# Altium PCB SmartHaloEE.PcbDoc (part 3 of 3)
Units mil, origin at the board's own origin, x right, y up, seen from the top; angles counter-clockwise.
Board outline 2894.86 x 2467.76 mil, 4 copper layers (Top Layer, Ground Plane, Power Plane, Bottom Layer), stack 66 mil thick; 314 components, 165 nets, 803 pads, 366 vias.
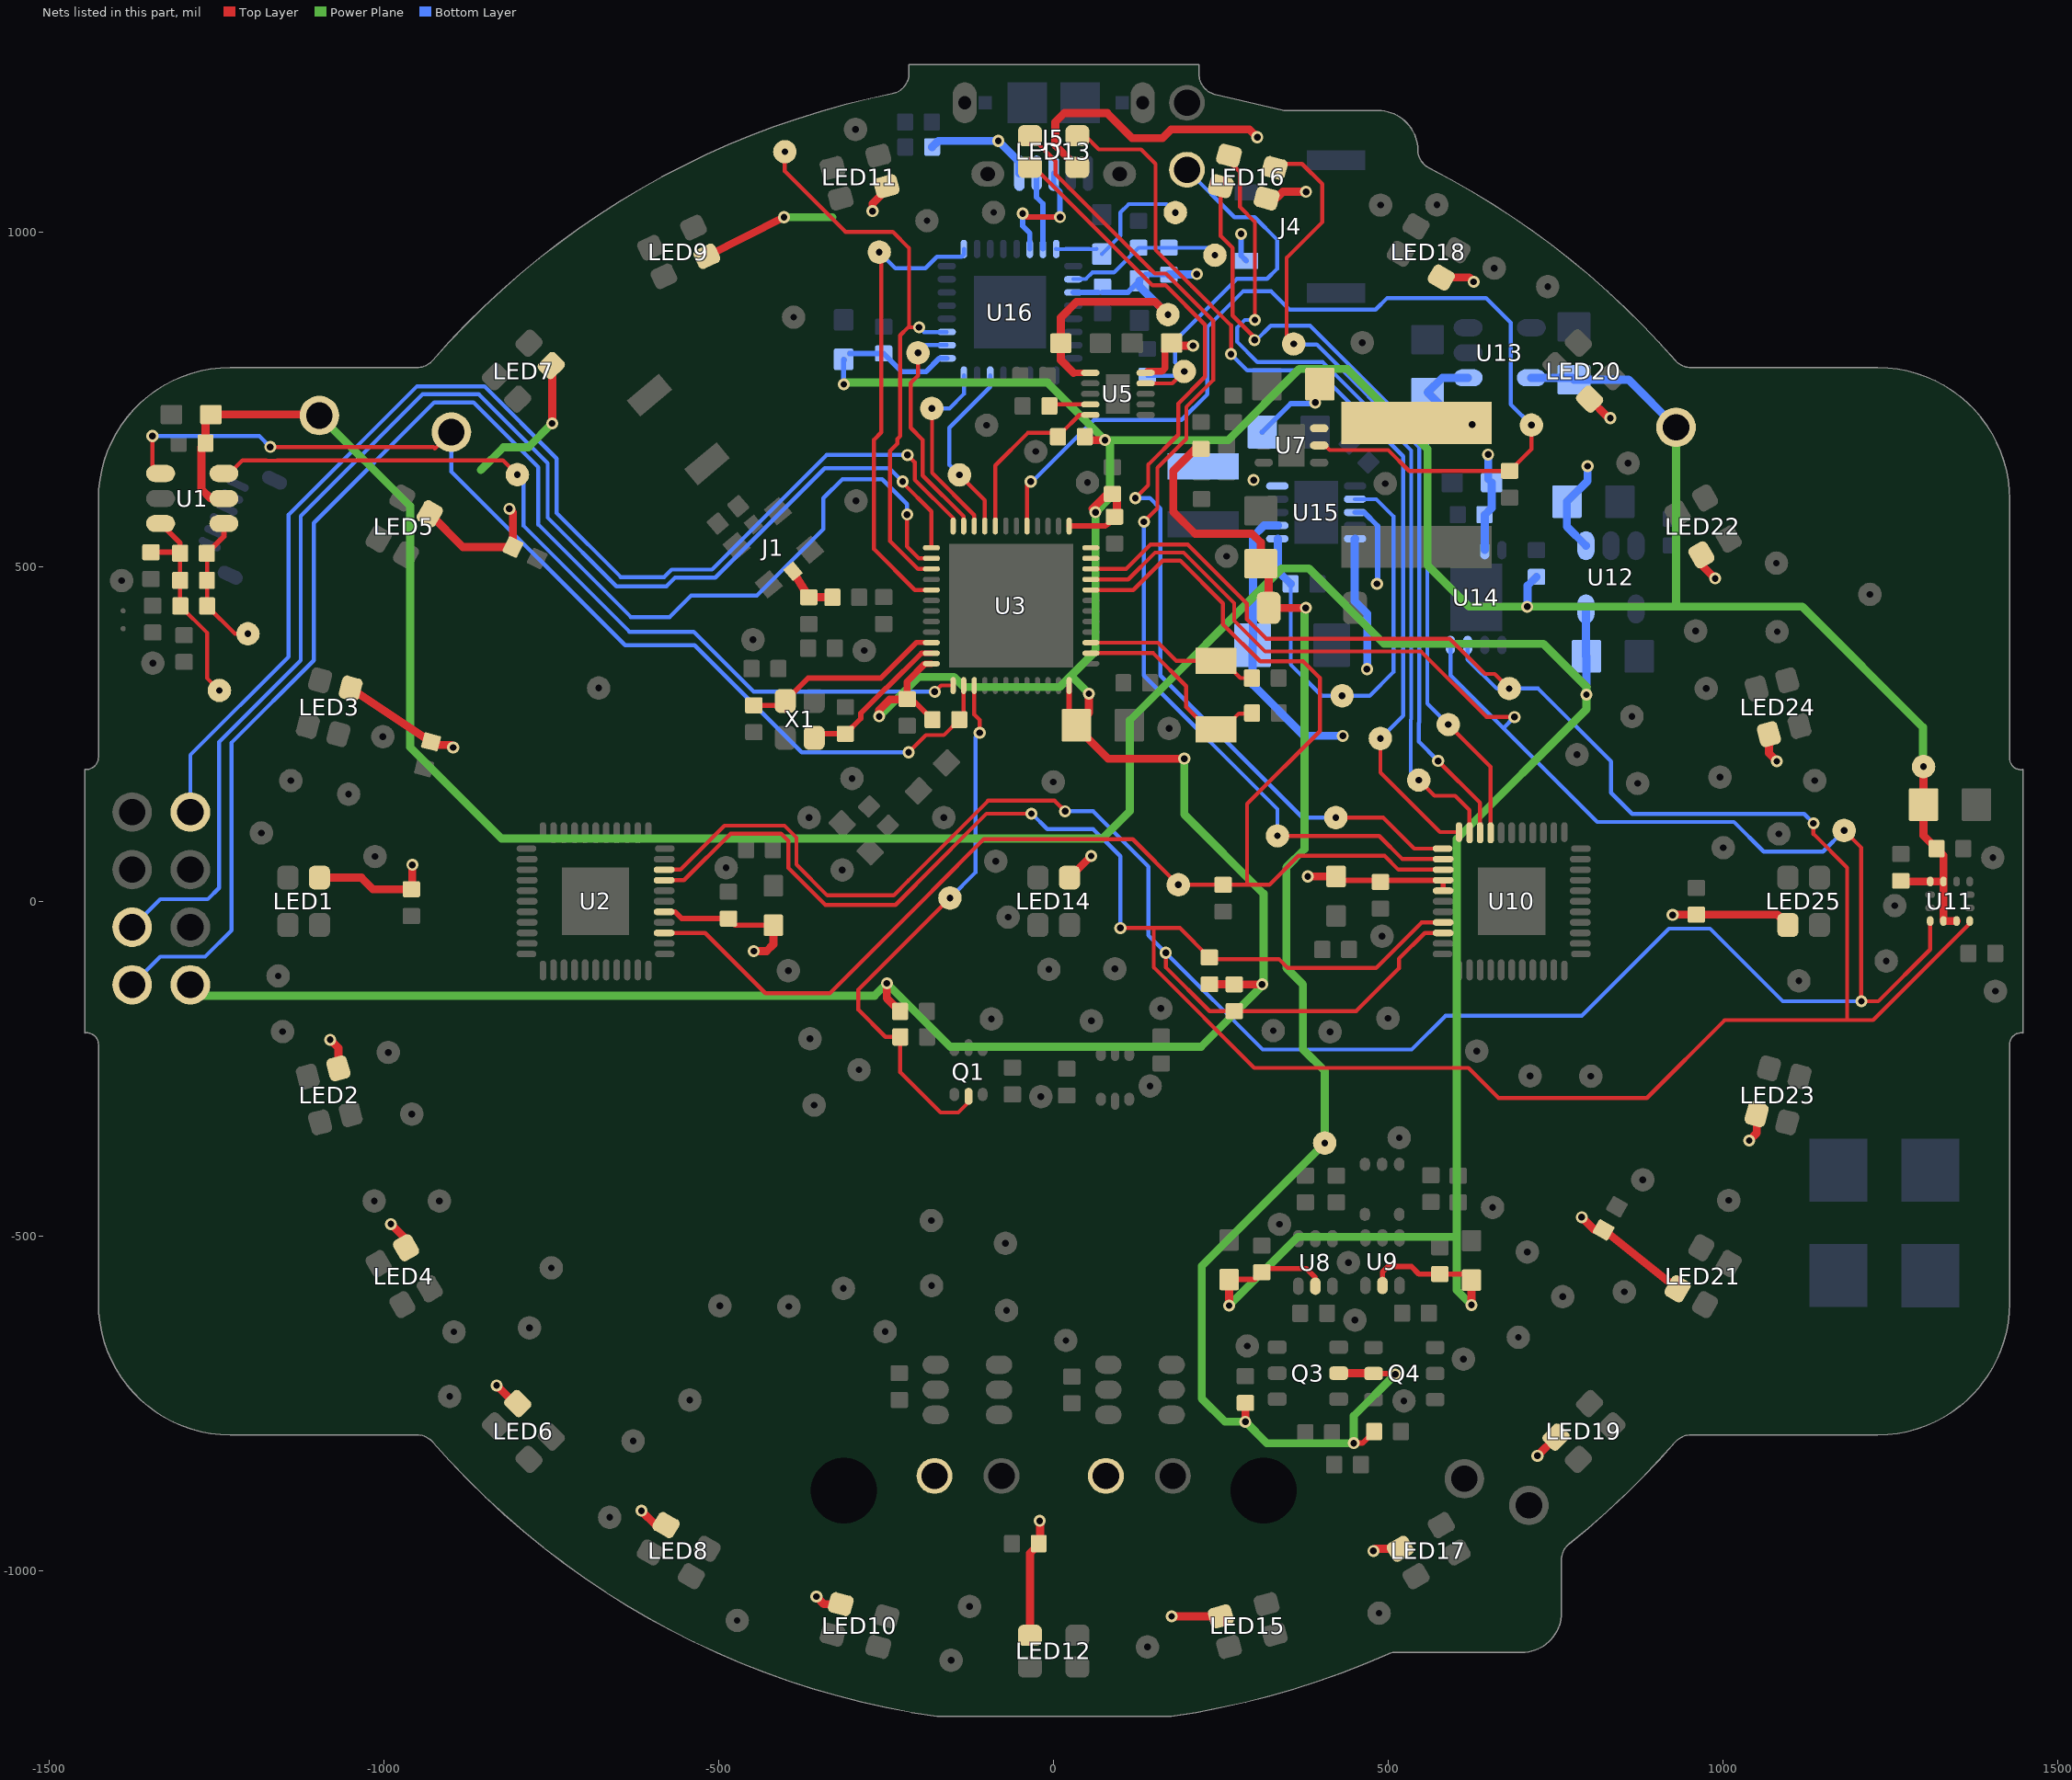
[diagram p5: the nets of this part, all layers, seen from the top]

## Via types
v1: diameter 18, hole 10, Top Layer to Bottom Layer, tented both sides, 296 vias
v2: diameter 18, hole 10, Top Layer to Bottom Layer, 69 vias
v3: diameter 18, hole 10, Top Layer to Bottom Layer, tented top, 1 vias

## Nets (pads, with @x,y where several pads share a name; then routed paths per layer and width w, separated by ;. In a path a pad name is that pad's centre, name@x,y a point inside that pad or via, vN(x,y) a via of type N, cw(c..) or ccw(c..) an arc to the next point about the centre after c; other vN are vias at no path point) (continued)
OUT67: LED16.4 TP40.1 U10.30 | length 1208.5
  Top Layer w6: LED16.4@249.54,1068.24 249.54,993.93 267.3,976.18 267.3,874.87 v1@300,842.17 ; TP40.1@589.4,264 652.56,200.84 U10.30@652.56,102.36 U10.30@653.2,102.36
  Bottom Layer w6: v1(300,838.4) 302.68,838.4 324.18,859.9 342.06,859.9 342.16,859.8 382.8,859.8 558,684.6 558,295.4 TP40.1@589.4,264
OUT68: LED16.2 TP55.1 U10.31 | length 1217.1
  Top Layer w6: LED16.2@330.22,1095.54 336.39,1101.7 370.9,1101.7 401.3,1071.3 401.3,1014.7 347.9,961.3 347.9,843.1 TP55.1@358.4,832.6 ; v1(574.2,209.6) 636.81,146.99 U10.31@636.81,102.36
  Bottom Layer w6: TP55.1@358.4,831.9 392.8,831.9 546,678.7 546,267.36 545.2,266.56 545.2,238.6 v1(574.2,209.6)
OUT69: LED16.3 TP41.1 U10.32 | length 1267.3
  Top Layer w6: LED16.3@261.77,1113.88 261.77,1105.83 278.1,1089.5 278.1,1037.3 300.5,1014.9 v1(300.5,868.4) ; TP41.1@545.2,181.1 568.7,157.6 599.6,157.6 621.06,136.14 U10.32@621.06,102.36
  Bottom Layer w6: v1(300.5,868.4) 285.3,868.4 273.8,856.9 273.8,836 304.4,805.4 402,805.4 534,673.4 534,272.33 533.2,271.53 533.2,193.1 TP41.1@545.2,181.1
OUT70: LED13.2 TP45.1 U10.33 | length 1426.3
  Top Layer w6: LED13.2@35.43,1143.7 46.9,1143.7 67.3,1123.3 130.6,1123.3 152.2,1101.7 152.2,972.94 206.24,918.9 206.3,918.9 264.9,860.3 v1(264.9,817.4) ; TP45.1@487.9,243.2 487.9,192.4 576.95,103.35 U10.33@605.32,103.35
  Bottom Layer w6: v1(264.9,817.4) 288.9,793.4 393.3,793.4 522,664.7 522,277.3 TP45.1@487.9,243.2
OUT71: LED13.4 TP52.1 U10.34 | length 1482.6
  Top Layer w6: LED13.4@-35.43,1096.46 -28.76,1096.46 147.5,920.2 167.1,920.2 226.1,861.2 226.1,783.49 186.1,743.49 186.1,697.2 141.2,652.3 141.2,621.5 v1(122,602.3) ; TP52.1@421.3,125.1 492.1,125.1 538.46,78.74 U10.34@580.71,78.74
  Bottom Layer w6: v1(122,602.3) 143.8,602.3 159.5,586.6 159.5,337.3 371.7,125.1 TP52.1@421.3,125.1
OUT72: LED13.3 TP57.1 U10.35 | length 1556.2
  Top Layer w6: LED13.3@-35.43,1143.7 2.7,1105.57 2.7,1086.2 151.1,937.8 167.6,937.8 238.1,867.3 238.1,778.52 198.1,738.52 198.1,691 154.9,647.8 154.9,587.1 v1(134.7,566.9) ; TP57.1@334.2,97.7 486.1,97.7 520.81,62.99 U10.35@581.69,62.99
  Bottom Layer w6: v1(134.7,566.9) 134.7,337.3 334.2,137.8 TP57.1@334.2,97.8
P0.09/NFC1: U3.11
P0.10/NFC2: U3.12
P\G\: R10.1 U3.20 U5.5 | length 263.6
  Top Layer w6: U3.20@-87.15,560.61 -87.15,651.25 -38.8,699.6 11.5,699.6 38.4,726.5 U5.5@54.66,726.5
POW_CYCLE: Q1.2 R5.2 TP84.1 U3.39 | length 837.3
  Top Layer w6: TP84.1@-154.9,4.9 -292,-132.2 -292,-161.8 -251.2,-202.6 R5.2@-229.1,-202.6 -229.1,-255.4 -169,-315.5 -142.4,-315.5 -127.2,-300.3 Q1.2@-127.2,-291.42 ; U3.39@-118.64,322.42 -118.64,279.04 -110.5,270.9 v1(-110.5,251.6)
  Bottom Layer w6: TP84.1@-154.9,4.9 -116.9,42.9 -116.9,245.2 v1(-110.5,251.6)
PRETERM: R9.1 U5.4 | length 62
  Top Layer w6: R9.1@-6.4,739.9 -4.05,742.25 U5.4@54.66,742.25
QTOUCH: R6.1 TP118.1 U1.1 U3.38 | length 1570.8
  Top Layer w6: v1(-1346,695) -1346,651.38 U1.1@-1341.9,647.28 ; v1(-1170.1,678.7) -926.5,678.7 -924.1,676.3 TP118.1@-899.5,700.9 ; v1@-215.7,222.5 v1(-216.7,222.5) -190.81,248.39 -163.91,248.39 R6.1@-141,271.3 ; R6.1@-134.39,277.91 U3.38@-134.39,322.42
  Bottom Layer w6: v1(-1346,695) -1186.4,695 v1(-1170.1,678.7) ; TP118.1@-899.5,700.9 -899.5,641.9 -640.1,382.5 -536.3,382.5 -376.3,222.5 v1(-216.7,222.5)
R\E\S\E\T\: R32.1 R33.2 TP59.1 U16.18 | length 235.5
  Bottom Layer w6: U16.18@29.29,929.51 47.86,929.51 57.65,939.3 89.9,939.3 R33.2@126.9,976.3 R32.1@171.9,976.3 229.7,976.3 TP59.1@240.8,965.2
RESET: TP138.1 U3.24 | length 1884.5
  Top Layer w6: v1(-218.4,666.8) -207.6,656 -207.6,629.9 -150.14,572.44 U3.24@-150.14,560.61
  Bottom Layer w6: TP138.1@-1289.36,133.3 -1289.36,218.64 -1142.8,365.2 -1142.8,577.4 -950.8,769.4 -850.3,769.4 -742.4,661.5 -742.4,580.1 -646.7,484.4 -581.63,484.4 -570.53,495.5 -510.3,495.5 -339,666.8 v1(-218.4,666.8)
RF: C17.2 J1.1 L1.2 | length 80.7
  Top Layer w12.38: J1.1@-389.44,493 C17.2@-365.7,454.2 -365.6,454.1 L1.2@-330.5,454.1
RTS: TP86.1 U3.22 U16.32 | length 286.4
  Top Layer w6: TP86.1@-181.7,736.3 -181.7,640.1 -118.64,577.04 U3.22@-118.64,560.61
  Bottom Layer w6: TP86.1@-182.1,736.3 -155.6,736.3 -134.1,757.8 U16.32@-134.1,785.51
RXD: TP82.1 U3.21 U16.30 | length 272.2
  Top Layer w6: TP82.1@-140.8,637 -102.8,599 -102.8,560.7 U3.21@-102.89,560.61
  Bottom Layer w6: TP82.1@-140.8,637 -155.8,652 -155.8,707.3 -94.73,768.37 U16.30@-94.73,785.51
S2V8: C2.1 C3.1 C29.1 C33.1 C38.1 C40.1 C47.1 TP128.1 U1.5 U8.5 U9.5 U12.5 | length 4909.5
  Top Layer w8: C29.1@262,-565 300.02,-565 C33.1@310.81,-554.22 316.32,-548.7 377.4,-548.7 390.87,-562.17 U8.5@390.87,-575.01 ; U9.5@491.02,-573.85 491.02,-553.68 499,-545.7 534.3,-545.7 545.45,-556.85 C38.1@576.75,-556.85 614.85,-556.85 C40.1@624,-566
  Top Layer w12: U1.5@-1239.29,601.75 -1258.85,601.75 -1272.94,615.84 -1272.94,678.26 C3.1@-1266.7,684.5 -1266.7,719.2 C2.1@-1258.7,727.2 -1098.2,727.2 TP128.1@-1096.7,725.7 ; v1(262,-603.8) C29.1@262,-565 ; v1(624,-603) C40.1@624,-566
  Power Plane w12: TP128.1@-1096.7,725.7 -961.2,590.2 -961.2,230.2 -824.7,93.7 72.6,93.7 113.7,134.8 113.7,270.2 340.6,497.1 381,497.1 493.4,384.7 731.5,384.7 795.5,320.7 v1(795.5,308.8) 795.5,287.3 795.8,287 601.9,93.1 601.9,-580.9 v1(624,-603) ; v1(262,-603.8) 364.6,-501.2 601.8,-501.2
  Bottom Layer w12: C47.1@794.92,366.58 U12.5@794.92,436.76 ; 795.5,320.7 C47.1@795.5,366
S\L\E\E\P\: TP91.1 U3.29 U16.9 | length 713.7
  Top Layer w6: TP91.1@-260.5,969.8 -257.4,966.7 -257.4,700.54 -268.3,689.64 -268.3,526 -207.44,465.14 U3.29@-182.62,465.14
  Bottom Layer w6: TP91.1@-260.5,969.8 -236.4,945.7 -191.54,945.7 -174.43,962.82 -137.48,962.82 -134.1,966.2 U16.9@-134.1,974.49
SCL: R20.1 TP7.1 U2.42 U3.9 U10.42 U11.1 U14.8 | length 4782.8
  Top Layer w6: U2.42@-581.69,47.24 -557.66,47.24 -491.8,113.1 -402.08,113.1 -384.2,95.22 -384.2,54.9 -338.1,8.8 -239.1,8.8 -217.4,30.5 -217.4,30.79 -97.99,150.2 1.4,150.2 v1(17.1,134.5) ; U3.9@55.57,480.89 111.39,480.89 151.5,521 194.1,521 269.6,445.5 269.6,419.4 315.7,373.3 548.5,373.3 646.5,275.3 v1(688.2,275.3) ; v1(167.4,-76.8) 167.4,-98.6 232.9,-164.1 R20.1@269.7,-164.1 451.7,-164.1 515.8,-100 515.8,-85.6 554.16,-47.24 U10.42@581.69,-47.24 ; TP7.1@1180.5,105.8 1206.2,80.1 v1(1206.2,-149.4) 1231.6,-149.4 1309.06,-71.94 U11.1@1309.06,-29.53
  Bottom Layer w6: v1(17.1,134.5) 58.9,134.5 141.6,51.8 141.6,-51 v1(167.4,-76.8) 312.1,-221.5 534.6,-221.5 585.3,-170.8 788.8,-170.8 918.8,-40.8 980.2,-40.8 1088.8,-149.4 v1(1206.2,-149.4) ; U14.8@592.65,382.92 592.65,337.65 811.7,118.6 1015.95,118.6 1060.35,74.2 1148.9,74.2 TP7.1@1180.3,105.6 ; 671.6,258.7 v1(688.2,275.3)
SDA: R16.1 TP33.1 U2.41 U3.10 U10.41 U11.4 U14.7 | length 4697.2
  Top Layer w6: U2.41@-581.69,31.5 -552,31.5 -482.4,101.1 -407.05,101.1 -396.2,90.25 -396.2,49.93 -340.87,-5.4 -236.33,-5.4 -205.4,25.53 -205.4,25.82 -100.42,130.8 v1(-33.2,130.8) ; U3.10@55.57,496.63 108.23,496.63 144.6,533 200.2,533 288.4,444.8 288.4,421.45 317.45,392.4 591.4,392.4 644.2,339.6 658.5,339.6 TP33.1@680.3,317.8 ; v1(99.6,-39.9) 188.6,-39.9 R16.1@232.6,-83.9 235,-86.3 336.3,-86.3 349.7,-99.7 481.4,-99.7 549.6,-31.5 U10.41@581.69,-31.5 ; 149.3,-39.9 149.3,-98.6 299.6,-248.9 619.62,-248.9 664.52,-293.8 885.9,-293.8 1002.2,-177.5 1223.7,-177.5 1368.11,-33.09 U11.4@1368.11,-29.53 ; v1(1134.7,116.6) 1134.7,100.5 1185.1,50.1 1185.1,-177.4
  Bottom Layer w6: v1(-33.2,130.8) -32.5,130.8 -9.6,107.9 58.9,107.9 99.6,67.2 v1(99.6,-39.9) ; U14.7@618.24,382.92 618.24,361.36 661.8,317.8 723.5,317.8 832.3,209 832.3,162.2 863.9,130.6 1120.7,130.6 v1(1134.7,116.6)
SDB: R17.2 TP62.1 U2.36 U3.8 U10.36 | length 2156
  Top Layer w6: U2.36@-581.69,-47.24 -520.66,-47.24 -430.7,-137.2 -334.19,-137.2 -181.4,15.59 -181.4,15.88 -104.58,92.7 118.1,92.7 TP62.1@186.2,24.6 R17.2@253.1,24.6 288.8,24.6 ; U3.8@55.57,465.14 118.94,465.14 162.8,509 189.13,509 252.9,445.23 252.9,414 308.3,358.6 372.6,358.6 397.6,333.6 397.6,254.3 288.8,145.5 288.8,24.6 ; U10.36@581.69,47.24 514.86,47.24 494.2,67.9 365.3,67.9 322,24.6 288.8,24.6
SNS_N: C4.2 C5.2 C6.2 TP133.1 U1.4 | length 202.8
  Top Layer w6: C6.2@-1264.47,450.04 C4.2@-1264.47,520.2 ; C6.2@-1264.3,441.1 -1222.8,399.6 TP133.1@-1203.4,399.6
  Top Layer w8: C4.2@-1264.47,520.2 -1239.29,545.38 U1.4@-1239.29,564.35
SNS_P: C4.1 C5.1 C6.1 R1.1 TP134.1 U1.3 | length 334.5
  Top Layer w6: C6.1@-1304.74,441.1 C5.1@-1304.74,479.39 ; C5.1@-1304.74,484.29 C5.1@-1304.74,479.39 ; C4.1@-1304.74,519.92 C5.1@-1304.74,479.39 ; C6.1@-1304.3,441.1 -1264.5,401.3 -1264.5,333.5 TP134.1@-1246,315
  Top Layer w8: R1.1@-1348.2,521.5 -1306.32,521.5 C4.1@-1304.74,519.92 -1304.74,535.32 U1.3@-1333.78,564.35
SWDCLK: TP143.1 U3.25 | length 2098.8
  Top Layer w6: v1(-225.6,627) -225.6,625.3 -182.62,582.32 U3.25@-182.62,528.13
  Bottom Layer w6: TP143.1@-1376.36,-38.7 -1334.46,3.2 -1263.4,3.2 -1246.5,20.1 -1246.5,238 -1124.5,360 -1124.5,575.4 -942.5,757.4 -858.6,757.4 -755.7,654.5 -755.7,573.2 -653.1,470.6 -578.46,470.6 -565.56,483.5 -505.33,483.5 -341.83,647 -245.6,647 v1(-225.6,627)
SWDIO: TP140.1 U3.26 | length 2220.8
  Top Layer w6: v1(-218.9,577.7) -218.9,530.3 -219.2,530 -201.58,512.38 U3.26@-182.62,512.38
  Bottom Layer w6: TP140.1@-1376.36,-124.7 -1334.36,-82.7 -1267.3,-82.7 -1227.7,-43.1 -1227.7,237.2 -1105.1,359.8 -1105.1,565.2 -924.9,745.4 -866.5,745.4 -769.6,648.5 -769.6,562.7 -631.6,424.7 -573.44,424.7 -541.44,456.7 -443.2,456.7 -344,555.9 -344,602.2 -315.6,630.6 -256,630.6 -218.9,593.5 v1(-218.9,577.7)
SYNC/MODE: TP117.1 U1.6 U3.37 | length 1284.3
  Top Layer w6: U1.6@-1239.29,639.15 -1231.25,639.15 -1211.5,658.9 -1175.76,658.9 -1175.16,658.3 -1160.24,658.3 -1159.64,658.9 -822.6,658.9 TP117.1@-801,637.3 ; v1(-177.7,313.1) -168.38,322.42 U3.37@-150.14,322.42
  Bottom Layer w6: TP117.1@-801,637.3 -791.6,627.9 -791.6,560.7 -633.6,402.7 -537.6,402.7 -448,313.1 v1(-177.7,313.1)
TS: RT1.2 RT2.2 TP61.1 U5.9 | length 592.8
  Top Layer w6: U5.9@137.39,773.8 U5.9@137.34,773.75 177.15,773.75 TP61.1@194.9,791.5
  Bottom Layer w6: RT1.2@139.7,785.2 188.6,785.2 TP61.1@194.9,791.5 181.3,805.1 181.3,837.5 273.6,929.8 318.7,929.8 333.6,944.7 333.6,988.6 300.2,1022 269.9,1022 RT2.2@199,1092.9
TXD: TP89.1 U3.23 U16.2 | length 343.9
  Top Layer w6: TP89.1@-202.7,819.3 -202.7,785.2 -213.7,774.2 -213.7,707.3 -195.6,689.2 -195.6,636 -134.39,574.79 U3.23@-134.39,560.61
  Bottom Layer w6: TP89.1@-202.7,819.3 -191.21,830.79 U16.2@-159.69,830.79
USBD_N: J5.2 U16.15 | length 117.1
  Bottom Layer w8: J5.2@-25.59,1087.6 -25.59,1051.79 -16,1042.2 U16.15@-15.99,974.49
USBD_P: J5.3 U16.14 | length 184.6
  Top Layer w8: v1(-46.2,1027.4) -40.9,1022.1 v1(9.5,1022.1)
  Bottom Layer w8: v1(-46.2,1027.4) -46.2,1008.9 -35.67,998.37 U16.14@-35.67,974.49 ; J5.3@0,1087.6 0,1069.21 9.5,1059.71 v1(9.5,1022.1)
VAUX: C55.1 TP51.1 U15.1 U15.7 | length 683.8
  Bottom Layer w6: C55.1@354,474.2 354,353.5 400.4,307.1 472,307.1 507.3,342.4 507.3,575.2 481.81,600.69 U15.7@450.07,600.69
  Bottom Layer w12: U15.1@334.93,541.63 334.93,493.27 C55.1@354,474.2
VBAT: C26.1 C34.1 C48.1 C50.1 C51.1 C52.1 C54.1 J4.2 L4.1 L5.1 TP38.1 U5.10 U7.6 U12.1 U13.1 U14.3 U15.5 U15.8 | length 827.8
  Top Layer w8: v1(390.68,745) v1@391.48,744.2
  Top Layer w10: U5.10@137.34,789.5 139.64,791.8 161.9,791.8 166.4,796.3 C26.1@166.4,824.3
  Top Layer w12: C26.1@166.4,824.3 C26.1@176.1,834 172.1,830 v1(208.1,830)
  Bottom Layer w8: v1(279.9,997.1) 279.9,964.59 J4.2@287.8,956.69 ; C54.1@311.5,701 354,743.5 389.18,743.5 v1(390.68,745) ; U15.8@450.07,581 463.55,581 483.9,560.64 483.9,475.3 v1(482.8,474.2)
  Bottom Layer w12: U13.1@618.85,782.02 580.26,782.02 C52.1@558.38,760.14 606.32,712.2 TP38.1@624.9,712.2 ; U14.3@643.83,524.65 643.83,577.27 654,587.44 C50.1@654,625.6 ; C50.1@648.9,630.7 v1(648.9,667.5) ; U12.1@794.92,531.24 766.5,559.66 C48.1@766.5,597 766.5,597.1 797.3,627.9 v3(797.3,650)
  other v1: 298.6,629.3
VBZ: C30.1 D3.1 Q3.2 Q4.2 R15.2 R22.2 R25.2 TP54.1 | length 2247.9
  Top Layer w8: v1(448.2,-809.5) 461.2,-809.5 R22.2@478.5,-792.2 ; Q4.2@477.7,-705.5 v1@508.8,-705.5
  Top Layer w12: R15.2@220.1,676 211.61,676 178.5,642.89 178.5,581.9 211.2,549.2 296.1,549.2 309.3,536 C30.1@309.3,504.2 321,492.5 D3.1@321,438.3 v1(376.5,438.3) ; v1(286.3,-777.5) R25.2@286.3,-749.5 ; Q3.2@425.7,-704.9 Q4.2@473.3,-704.9
  Power Plane w12: v1(376.5,438.3) 374.7,440.1 374.7,78 347.6,50.9 347.6,-99.7 372.3,-124.4 372.3,-221 404.8,-253.5 TP54.1@404.8,-361.1 221.1,-544.8 221.1,-742.8 255.8,-777.5 v1(286.3,-777.5) 318.3,-809.5 v1(448.2,-809.5) 448.2,-768.7 v1(510.1,-706.8)
VBZ_EN: R28.1 TP29.1 U3.17 U7.5 | length 1543.9
  Top Layer w6: U3.17@-39.9,560.61 -39.9,621.5 v1(-34.3,627.1) ; U7.5@396.44,681 405.3,681 412.18,674.12 499.68,674.12 530.8,643 R28.1@681,643 713.4,675.4 TP29.1@713.4,711.4
  Bottom Layer w6: v1(-34.3,627.1) -31.8,627.1 60.1,719 190.9,719 229.6,757.7 229.6,858 282.8,911.2 324.7,911.2 352.1,883.8 480.7,883.8 498.2,901.3 645.7,901.3 682.6,864.4 682.6,742.2 TP29.1@713.4,711.4
VCCD: C57.1 TP60.1 U16.16 | length 226.5
  Bottom Layer w6: U16.16@3.7,974.79 18.21,974.3 53.5,974.3 C57.1@63.91,974.79 ; C57.1@71.9,966.8 99.4,994.3 99.4,1028.8 112.2,1041.6 169,1041.6 TP60.1@181.7,1028.9
VDD_NRF: C21.1 C24.1 C25.1 C43.1 C44.1 C45.1 C49.1 C59.1 C60.1 R4.2 R6.2 R10.2 R13.1 R16.2 R20.2 R30.2 TP3.1 TP18.1 TP135.1 U3.13 U3.36 U3.48 U11.2 U11.3 U11.9 U11.10 U13.5 U16.1 | length 6759
  Top Layer w8: C21.1@-211.9,302.2 R6.2@-181,271.3 ; C24.1@23.09,273.67 U3.48@23.09,322.42 ; U3.13@23.09,560.61 77.01,560.61 93.03,571.32 C25.1@94.5,572.3
  Top Layer w10: C21.1@-218.9,302.2 -218.9,328.07 -192.07,354.9 U3.36@-182.62,354.9
  Top Layer w12: v1(-260.5,276.2) -260.5,285.85 -244.85,301.5 -219.6,301.5 C21.1@-218.9,302.2 ; v1(-249.1,-122.5) -249.1,-144.9 R4.2@-229.4,-164.6 ; R10.2@46.4,694 51.4,689 v1(76.6,689) ; v1(52.7,310.1) 52.7,281.73 C24.1@33.87,262.89 33.87,260.63 81.4,213.1 v1(195,213.1) ; v1@58,586.4 R13.1@83.3,611.7 ; C25.1@94.5,572.3 R13.1@94.5,603.1 ; R16.2@232.6,-123.9 R20.2@269.5,-123.9 ; R20.2@269.7,-124.1 v1(311.2,-124.1) ; C43.1@1265.2,30.6 1266.27,29.53 U11.9@1328.74,29.53 ; TP3.1@1299.08,201.22 C44.1@1299.08,144.33 1299.08,98.12 C45.1@1318.58,78.62 1328.74,68.47 U11.9@1328.74,29.53 ; U11.3@1348.43,-29.53 U11.2@1328.74,-29.53 U11.9@1328.74,29.53
  Power Plane w12: TP135.1@-1289.36,-124.7 -1273.06,-141 -267.6,-141 v1(-249.1,-122.5) -154.3,-217.3 220.2,-217.3 313.4,-124.1 313.4,11.5 195,129.9 v1(195,213.1) ; v1@-313.6,774.9 -9.3,774.9 v1(76.6,689) ; v1(-260.5,276.2) -201.6,335.1 -149,335.1 -134.1,320.2 9.1,320.2 62.4,373.5 v1(62.4,581.2) 84.1,602.9 84.1,681.5 v1(76.6,689) ; 26.35,336.45 v1(52.7,310.1) ; 929.5,444.8 TP18.1@929.5,708.1 ; TP3.1@1298.2,202.1 1298.2,260.1 1118.2,440.1 v1(707.2,440.1) 620.2,440.1 558.2,502.1 558.2,675.5 438.5,795.2 366.9,795.2 260.7,689 v1(76.6,689)
  Bottom Layer w8: v1@-313.8,772.5 C60.1@-313.8,809.6 C60.1@-312.8,808.6 ; C60.1@-305,818.4 C59.1@-254,818.4 -226.9,791.3 -190.7,791.3 -170.9,811.1 U16.1@-159.69,811.1 U16.1@-169.9,811.1
  Bottom Layer w12: v1(707.2,440.1) 707.8,440.7 707.8,471.4 R30.2@721,484.6 ; U13.5@713.34,782.02 774.28,782.02 C49.1@777,779.3 858.3,779.3 TP18.1@929.5,708.1
  other v1: -313.6,772.3
VLED: C8.1 C9.1 C10.1 C12.1 C15.1 C22.1 C36.1 C37.1 C41.1 C42.1 C53.1 D1.1 D2.1 LED1.1 LED2.1 LED3.1 LED4.1 LED5.1 LED6.1 LED7.1 LED8.1 LED9.1 LED10.1 LED11.1 LED12.1 LED13.1 LED14.1 LED15.1 LED16.1 LED17.1 LED18.1 LED19.1 LED20.1 LED21.1 LED22.1 LED23.1 LED24.1 LED25.1 U2.38 U10.37 U10.38 U15.2 U15.10 | length 3785.1
  Top Layer w8: U2.38@-581.69,-15.75 -565.51,-15.75 -555.49,-25.77 C12.1@-485.75,-25.77 -475.76,-35.76 C15.1@-418.68,-35.76 ; C36.1@427.3,31.5 U10.37@581.69,31.5 U10.38@581.69,15.75
  Top Layer w12: LED1.1@-1096.46,35.43 -1034.03,35.43 -1016.67,18.07 C8.1@-959.29,18.07 -957.9,19.46 v1(-957.9,54.4) ; v1(-1080.5,-206.8) -1068.28,-219.02 LED2.1@-1068.28,-249.58 ; LED3.1@-1049.94,317.99 -923.21,233.72 v1@-900.72,233.72 ; v1(-989.9,-482.2) -967.3,-504.8 LED4.1@-967.3,-517.54 ; LED5.1@-931.87,578.91 -882.01,529.05 C10.1@-807.63,529.05 -807.63,581.13 v1(-812.9,586.4) ; v1(-831.9,-723.2) -804.85,-750.25 LED6.1@-800.4,-750.25 ; v1(-749.04,713.94) LED7.1@-749.04,800.36 ; v1(-615.8,-910.5) -594.43,-931.87 LED8.1@-578.91,-931.87 ; LED9.1@-517.94,963.57 v1(-402.7,1021.9) ; v1(-447.9,-74.5) -428.9,-74.5 -418.68,-64.28 C15.1@-418.68,-35.76 ; v1(-354.4,-1038.7) -343.16,-1049.94 LED10.1@-318.03,-1049.94 ; v1(-270.6,1031) -270.6,1042.1 -244.46,1068.24 LED11.1@-249.58,1068.24 ; LED12.1@-35.43,-1096.46 -35.43,-973.86 -20.2,-958.62 v1@-20.2,-926.4 ; LED14.1@23.62,35.43 v1(55.89,67.7) ; LED13.1@35.43,1096.46 2.4,1129.49 2.4,1164 15.8,1177.4 79.9,1177.4 117.1,1140.2 162.4,1140.2 175.4,1153.2 292.3,1153.2 v1(304.1,1141.4) ; v1(176.22,-1068.28) LED15.1@249.54,-1068.28 ; LED16.1@317.99,1049.9 324.95,1042.95 341.9,1059.9 v1(376.9,1059.9) ; v1(379.34,37.14) C36.1@421.65,37.14 ; v1(477.4,-970.5) 480.6,-967.3 LED17.1@517.54,-967.3 ; LED18.1@578.91,931.83 620.87,931.83 v1(627.1,925.6) ; v1@722.5,-828.11 LED19.1@750.25,-800.36 ; v1(788.5,-471.9) 807.52,-490.92 C41.1@821.16,-490.92 LED21.1@931.83,-578.91 ; LED20.1@800.36,750.25 828.81,721.8 v1(831.4,721.8) ; v1@924.86,-19.94 C42.1@959.69,-19.94 1080.97,-19.94 LED25.1@1096.46,-35.43 ; LED22.1@967.26,517.54 967.26,502.94 v1(987.9,482.3) ; v1(1038.7,-357.3) 1049.9,-346.1 LED23.1@1049.9,-318.03 ; LED24.1@1068.24,249.54 1068.24,221.06 v1(1080,209.3)